# Altium PCB 6 Layers.PcbDoc (continued)
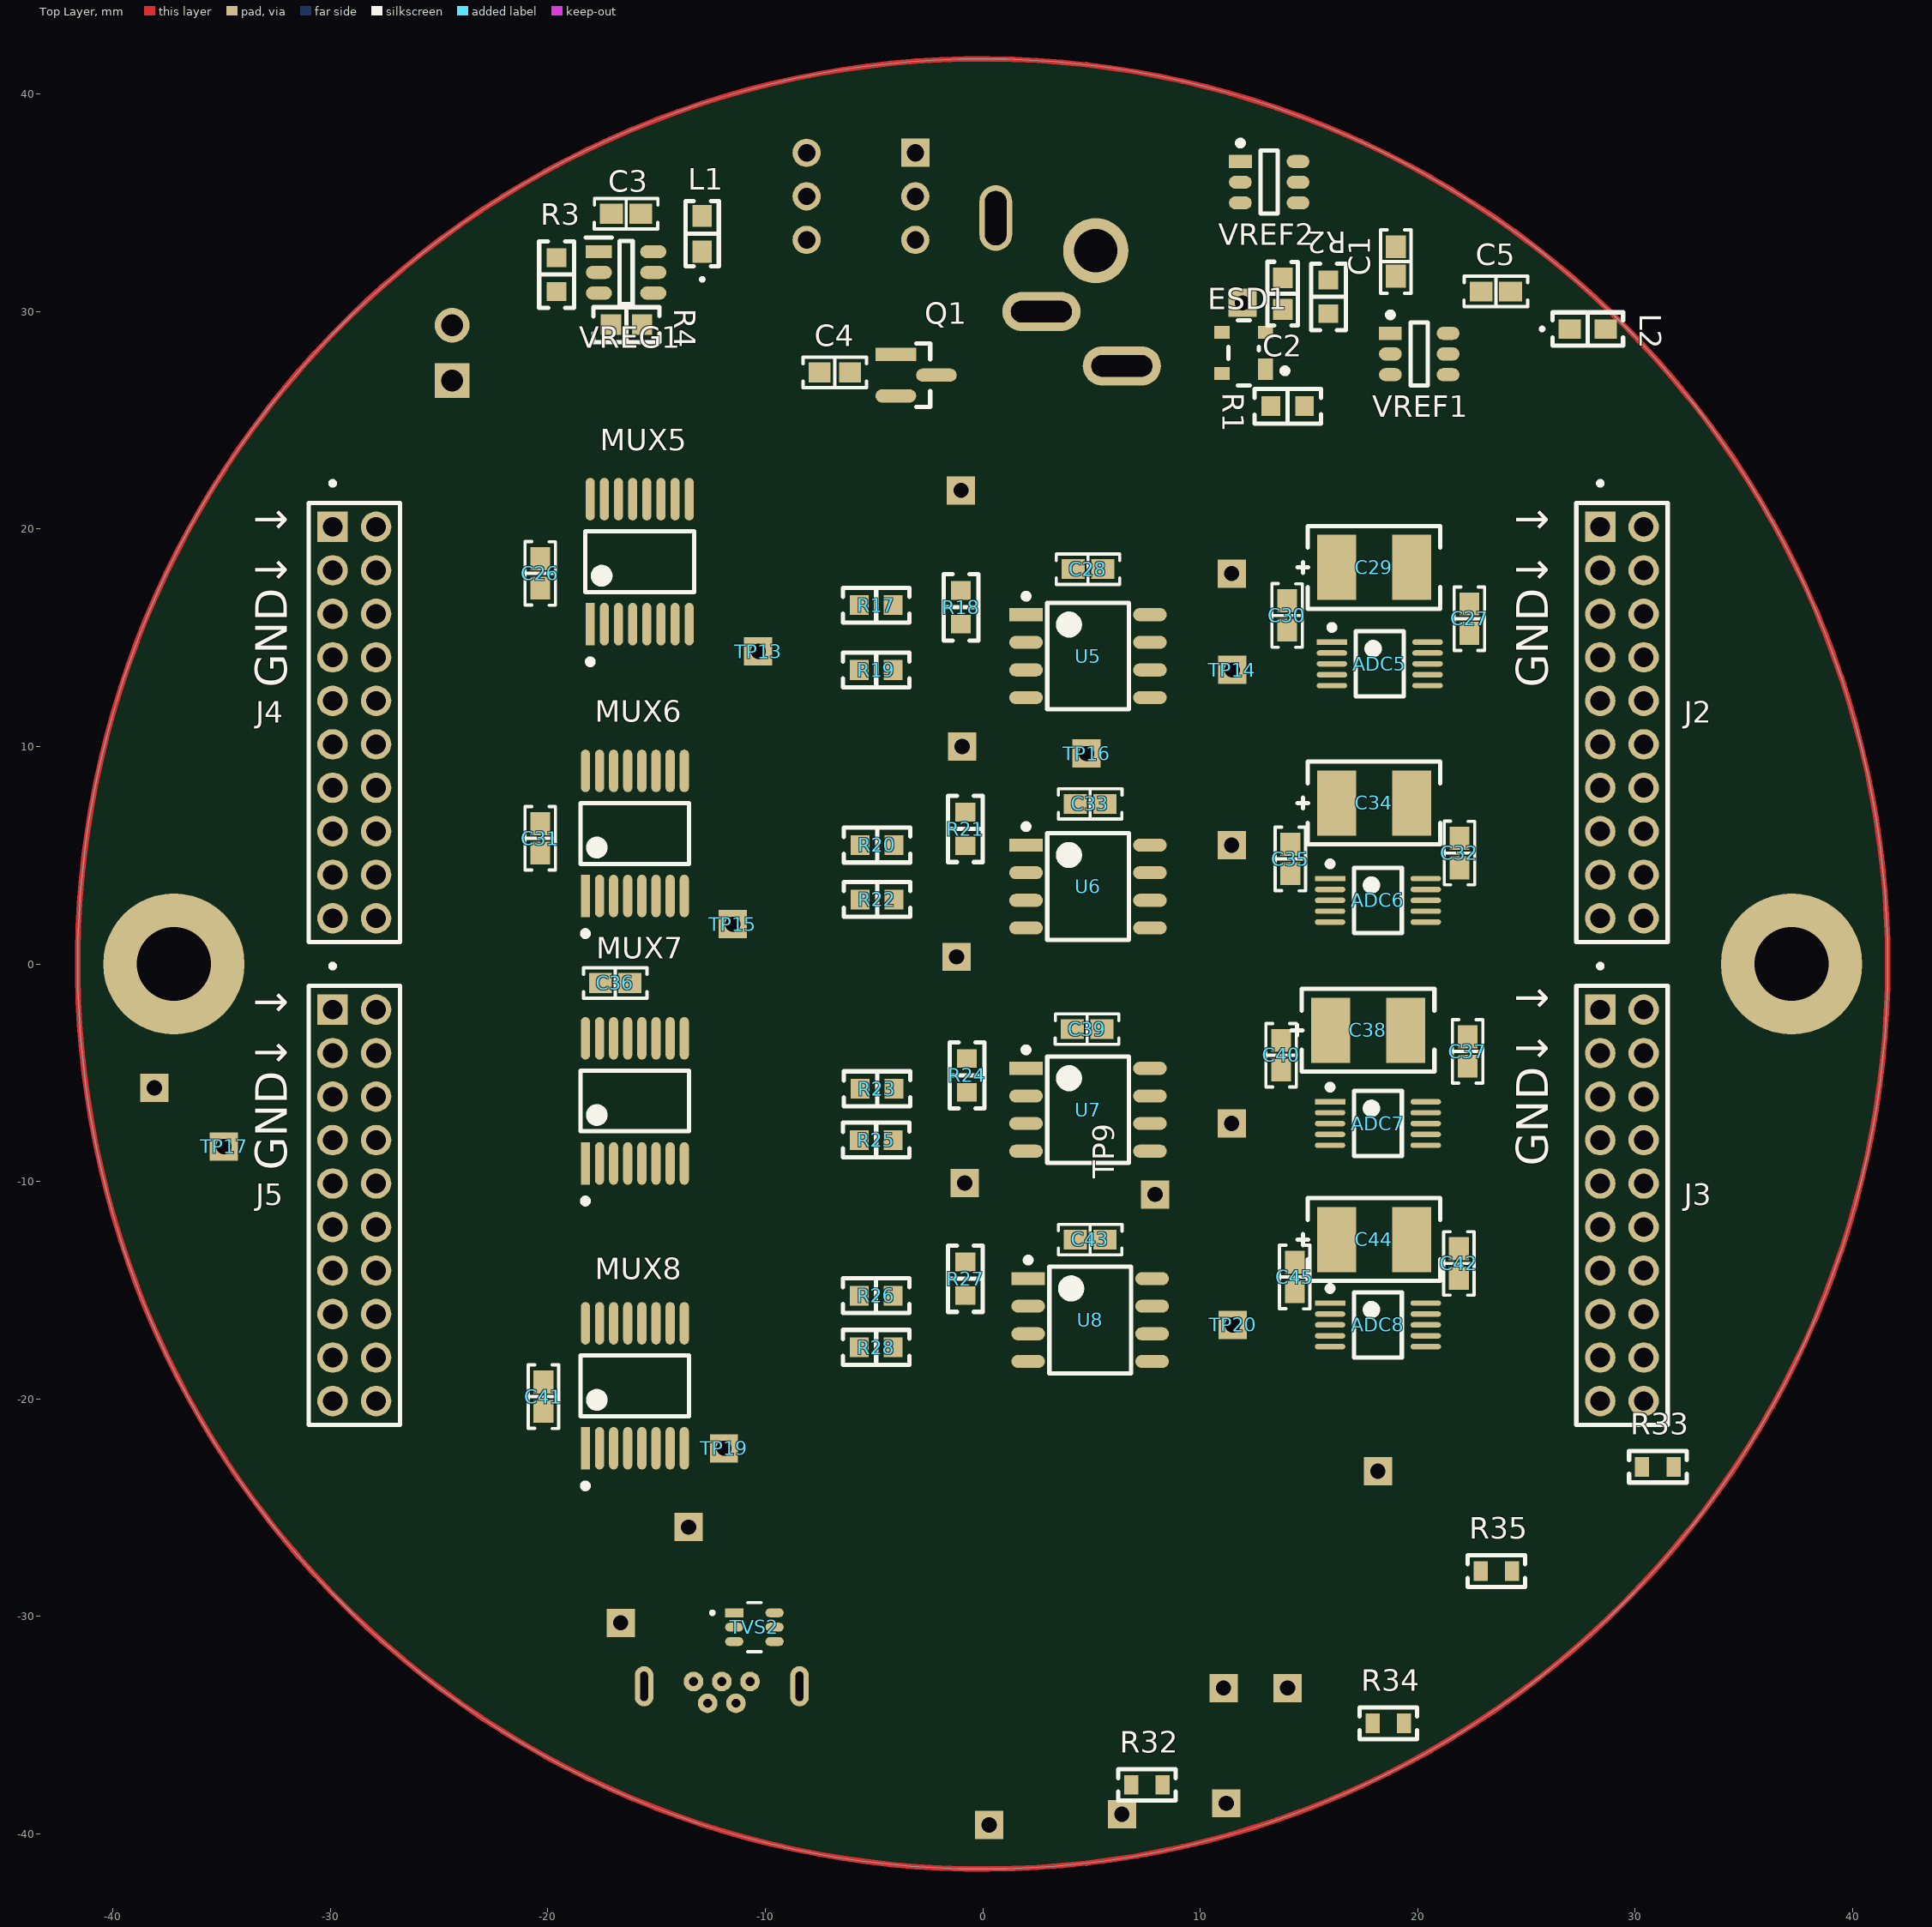
[diagram p0: Top Layer view]
## Footprints (in the part's own frame and the unit in brackets; to place one, negate y for a bottom-side part, rotate by r counter-clockwise, add the part's x,y. Pads: shape width x height; smd on the part's side, far side on the other; paste and mask are expansions set on the pad)
"ABS07-120-32.768KHZ-T A" [mm] "32.768 kHz ±20ppm Crystal 6pF 55 kOhms 2-SMD, No Lead"
  rect 1.4x1.9 smd: 1(-1.2,0) 2(1.2,0)
  silkscreen extent -2.2,-1.3 2.2,1.3, body extent -1.6,-0.75 1.6,0.75, height 0.9
ATSAMD21G18-AU [mm] "ARM® Cortex®-M0+ SAM D21G, Functional Safety (FuSa) Microcontroller IC 32-Bit Single-Core 48MHz 256KB (256K x 8) FLASH 48-TQFP (7x7)"
  rect 1.655x0.252 smd paste+0 mask+0: 1(-4.125,2.75)
  rrect100% 1.655x0.252 smd paste+0 mask+0: 2(-4.125,2.25) 3(-4.125,1.75) 4(-4.125,1.25) 5(-4.125,0.75) 6(-4.125,0.25) 7(-4.125,-0.25) 8(-4.125,-0.75) 9(-4.125,-1.25) 10(-4.125,-1.75) 11(-4.125,-2.25) 12(-4.125,-2.75) 25(4.125,-2.75) 26(4.125,-2.25) 27(4.125,-1.75) 28(4.125,-1.25) 29(4.125,-0.75) 30(4.125,-0.25) 31(4.125,0.25) 32(4.125,0.75) 33(4.125,1.25) 34(4.125,1.75) 35(4.125,2.25) 36(4.125,2.75)
  rrect100% 0.252x1.655 smd paste+0 mask+0: 13(-2.75,-4.125) 14(-2.25,-4.125) 15(-1.75,-4.125) 16(-1.25,-4.125) 17(-0.75,-4.125) 18(-0.25,-4.125) 19(0.25,-4.125) 20(0.75,-4.125) 21(1.25,-4.125) 22(1.75,-4.125) 23(2.25,-4.125) 24(2.75,-4.125) 37(2.75,4.125) 38(2.25,4.125) 39(1.75,4.125) 40(1.25,4.125) 41(0.75,4.125) 42(0.25,4.125) 43(-0.25,4.125) 44(-0.75,4.125) 45(-1.25,4.125) 46(-1.75,4.125) 47(-2.25,4.125) 48(-2.75,4.125)
  silkscreen extent -4.25,-2.75 2.75,3.58, body extent -4.5,-4.5 4.5,4.5, height 1.2
"Cap Ceramic 0.1 uF 50V SMT 0603" [mm] "0.1 µF ±5% 50V Ceramic Capacitor X7R 0603 (1608 Metric)"
  rect 1.058x0.912 smd paste+0 mask+0: 1(-0.677,0) 2(0.677,0)
  silkscreen extent -1.46,-0.7 1.46,0.7, body extent -1.46,-0.71 1.46,0.71, height 0.25
"Cap Ceramic 0.22 uF 25V SMT 0603" [mm] "0.22 µF ±10% 25V Ceramic Capacitor X7R 0603 (1608 Metric)"
  rect 0.959x0.912 smd paste+0 mask+0: 1(-0.727,0) 2(0.727,0)
  silkscreen extent -1.46,-0.7 1.46,0.7, body extent -1.46,-0.71 1.46,0.71, height 0.25
"Cap Ceramic 1 uF 16V SMT 0603" [mm] "1 µF ±10% 16V Ceramic Capacitor X5R 0603 (1608 Metric)"
  rect 1.058x0.912 smd paste+0 mask+0: 1(-0.677,0) 2(0.677,0)
  silkscreen extent -1.46,-0.7 1.46,0.7, body extent -0.8,-0.4 0.8,0.4, height 0.9
"Cap Ceramic 2.2 uF 6.3V SMT 0603" [mm] "2.2 µF ±10% 6.3V Ceramic Capacitor X7R 0603 (1608 Metric)"
  rect 1.058x0.912 smd paste+0 mask+0: 1(-0.677,0) 2(0.677,0)
  silkscreen extent -1.46,-0.7 1.46,0.7, body extent -1.46,-0.71 1.46,0.71, height 0.25
"Cap Ceramic 10 uF SMT 0603" [mm] "10 µF ±10% 6.3V Ceramic Capacitor X5R 0603 (1608 Metric)"
  rect 1.008x0.912 smd paste+0 mask+0: 1(-0.702,0) 2(0.702,0)
  silkscreen extent -1.46,-0.7 1.46,0.7, body extent -1.46,-0.71 1.46,0.71, height 0.25
"Cap Tantalum 10 uF 16V SMT 1411" [mm] "10 µF Molded Tantalum Capacitors 16 V 1411 (3528 Metric) 2Ohm"
  rect 1.8x3 smd paste+0 mask+0: 1(-1.725,0) 2(1.725,0)
  silkscreen extent -3.05,-1.91 3.52,1.91, body extent -1.75,-1.4 1.75,1.4, height 2.1
"Capacitor 20 pF SMT 0603" [mm]
  rect 1.058x0.912 smd paste+0 mask+0: 1(-0.677,0) 2(0.677,0)
  silkscreen extent -1.46,-0.7 1.46,0.7, body extent -0.8,-0.4 0.8,0.4, height 0.9
"DC Power Jack 2.5 mm" [mm] "Power Barrel Connector Jack 2.50mm ID (0.098\"), 5.50mm OD (0.217\") Through Hole"
  round 3 hole 2: 1(0,0)
  oval 3.6x1.8 hole 1 slot 2.8 at 0 deg: 2(-1.2,-5.3) 3(2.5,-2.8)
  oval 1.508x3.016 hole 1 slot 2.5 at 90 deg: S1(4.6,1.5)
  silkscreen extent -5.5,-6.75 4.75,4.45, body extent -4.7,-6.7 4.8,4.5, height 14.2
"Eaton Ferrite Bead 0603" [mil] "Power Line Ferrite Bead 0603 (1608 Metric)"
  rect 33.78x39 smd paste+0 mask+0: 1(-32.39,0) 2(32.39,0)
  silkscreen extent -85,-31 60,31, body extent -36,-19 36,19, height 39
"Headers 20 Pos TH 0.079\" 4-3 - A" [mm] "Connector Header Through Hole 20 position 0.079\" (2.00mm)"
  rect 1.4x1.4 hole 0.9: 1(-9,-1)
  round 1.4 hole 0.9: 2(-7,-1) 3(-5,-1) 4(-3,-1) 5(-1,-1) 6(1,-1) 7(3,-1) 8(5,-1) 9(7,-1) 10(9,-1) 11(9,1) 12(7,1) 13(5,1) 14(3,1) 15(1,1) 16(-1,1) 17(-3,1) 18(-5,1) 19(-7,1) 20(-9,1)
  silkscreen extent -11.1,-2.1 10.1,2.1, body extent -10,-2 10,2, height 6
"Inductor 4.7 uH SMT 0603" [mil] "4.7 µH Shielded Multilayer Inductor 15 mA 2.1Ohm Max 0603 (1608 Metric)"
  rect 40x35 smd paste+0 mask+0: 1(-32.5,0) 2(32.5,0)
  silkscreen extent -85,-30 59,30, body extent -34,-19 34,19, height 39
IRLML9303TRPBF [mm] "P-Channel 30 V 2.3A (Ta) 1.25W (Ta) Surface Mount Micro3™/SOT-23"
  rect 1.874x0.612 smd paste+0 mask+0: 1(-0.935,0.95)
  rrect100% 1.874x0.612 smd paste+0 mask+0: 2(-0.935,-0.95) 3(0.935,0)
  silkscreen extent 0,-1.46 0.65,1.46, body extent -2.37,-1.96 2.37,1.96, height 0.25
"Led 3 mm Vertical Clear" [mm] "Green 530nm LED Indication - Discrete 3.2V Radial"
  rect 1.6x1.6 hole 1: 1(1.27,0)
  round 1.6 hole 1: 2(-1.27,0)
  silkscreen extent -1.66,-1.95 1.4,1.95, body extent -1.95,-1.94 1.87,1.94, height 10.5
LMR50410YFQDBVRQ1 [mm] "Buck Switching Regulator IC Positive Adjustable 1V 1 Output 1A SOT-23-6"
  rect 1.2x0.6 smd: 1(-1.25,0.95)
  oval 1.2x0.6 smd: 2(-1.25,0) 3(-1.25,-0.95) 4(1.25,-0.95) 5(1.25,0) 6(1.25,0.95)
  silkscreen extent -1.85,-1.45 0.3,1.6, body extent -1.4,-1.45 1.4,1.45, height 1.45
MCP6N11-100E/SN [mm] "Instrumentation Amplifier 1 Circuit Rail-to-Rail 8-SOIC"
  rect 1.55x0.6 smd: 1(-2.85,1.905)
  oval 1.55x0.6 smd: 2(-2.85,0.635) 3(-2.85,-0.635) 4(-2.85,-1.905) 5(2.85,-1.905) 6(2.85,-0.635) 7(2.85,0.635) 8(2.85,1.905)
  silkscreen extent -2.98,-2.45 1.88,2.88, body extent -3,-2.45 3,2.45, height 1.75
MCP1501T-XXE/CHY [mm] "Series Voltage Reference IC Fixed V ±0.1% 20 mA SOT-23-6"
  rect 1.05x0.6 smd: 1(-1.325,0.95)
  oval 1.05x0.6 smd: 2(-1.325,0) 3(-1.325,-0.95) 4(1.325,-0.95) 5(1.325,0) 6(1.325,0.95)
  silkscreen extent -1.45,-1.45 0.4,1.92, body extent -1.4,-1.45 1.4,1.45, height 1.17
MCP33141-10-E/MS [mm] "12 Bit Analog to Digital Converter 1 Input 1 SAR 10-MSOP"
  rect 1.4x0.25 smd: 1(-2.2,1)
  oval 1.4x0.25 smd: 2(-2.2,0.5) 3(-2.2,0) 4(-2.2,-0.5) 5(-2.2,-1) 6(2.2,-1) 7(2.2,-0.5) 8(2.2,0) 9(2.2,0.5) 10(2.2,1)
  silkscreen extent -2.33,-1.5 1.1,1.8, body extent -2.45,-1.5 2.45,1.5, height 1.1
RCLAMP0504FA.TCT [mil]
  rect 33x16 smd paste+0 mask+0: 1(-36.5,26)
  oval 33x16 smd paste+0 mask+0: 2(-36.5,0) 3(-36.5,-26) 4(36.5,-26) 5(36.5,0) 6(36.5,26)
  silkscreen extent -79,-44 12,44, body extent -39,-39 39,39, height 43
"Res 10K 0.1% SMT 0603" [mm] "10 kOhms ±0.1% 0.1W, 1/10W Chip Resistor 0603 (1608 Metric) Thin Film"
  rect 0.859x0.912 smd paste+0 mask+0: 1(-0.777,0) 2(0.777,0)
  silkscreen extent -1.52,-0.8 1.52,0.8, body extent -0.76,-0.4 0.84,0.4, height 0.58
"Res 88K7 1% SMT 0603" [mm] "88.7 kOhms ±1% 0.1W, 1/10W Chip Resistor 0603 (1608 Metric) Automotive AEC-Q200 Thick Film"
  rect 0.935x0.962 smd paste+0 mask+0: 1(-0.715,0) 2(0.715,0)
  silkscreen extent -1.52,-0.8 1.52,0.8, body extent -1.43,-0.73 1.43,0.73, height 0.25
"Res SP Elect 0603 RMFC" [mm] "Resistor 0603 (1608 Metric) Automotive AEC-Q200 Thick Film"
  rect 0.65x0.9 smd paste+0 mask+0: 1(-0.725,0) 2(0.725,0)
  silkscreen extent -1.33,-0.72 1.33,0.72, body extent -0.77,-0.4 0.77,0.4, height 0.55
"Resistor Yaego SMT 0603" [mm] "Resistor Yaego SMT 0603"
  rect 0.859x0.912 smd paste+0 mask+0: 1(-0.777,0) 2(0.777,0)
  silkscreen extent -1.52,-0.8 1.52,0.8, body extent -1.46,-0.71 1.46,0.71, height 0.25
"Schottky Diode 30V SMT" [mm] "NSR0530HT1G"
  rect 0.625x0.83 smd: 1(-1.112,0) 2(1.112,0)
  silkscreen extent -1.78,-0.8 1.78,0.8, body extent -1.36,-0.63 1.36,0.62, height 1.05
"SQ Pad" [mm] "Pad"
  rect 1.3x1.3 hole 0.7: 1(0,0)
"Standoff M3 7mm Brass" [mm] "Hex Standoff Threaded M3x0.5 Brass 0.276\" (7.00mm)"
  round 6.5 hole 3.4: 1(0,0)
  body extent -2.5,-2.89 2.5,2.89
"SW DPDT Pushbutton" [mm] "Pushbutton Switch DPDT Standard Through Hole"
  rect 1.3x1.3 hole 0.8: 1(-1.905,-2.54)
  round 1.3 hole 0.8: 2(0.095,-2.54) 3(2.095,-2.54) 4(-1.905,2.46) 5(0.095,2.46) 6(2.095,2.46)
  silkscreen extent -3.4,-4.14 3.59,3.46, body extent -3.43,-3.5 3.57,3.5, height 12.5
TMUX1208PWR [mm] "5-V, 8: 1, 1-channel general-purpose analog multiplexer with 1.8-V input logic 16-TSSOP -40 to 125"
  rect 1.955x0.421 smd paste+0 mask+0: 1(-2.875,2.275)
  rrect100% 1.955x0.421 smd paste+0 mask+0: 2(-2.875,1.625) 3(-2.875,0.975) 4(-2.875,0.325) 5(-2.875,-0.325) 6(-2.875,-0.975) 7(-2.875,-1.625) 8(-2.875,-2.275) 9(2.875,-2.275) 10(2.875,-1.625) 11(2.875,-0.975) 12(2.875,-0.325) 13(2.875,0.325) 14(2.875,0.975) 15(2.875,1.625) 16(2.875,2.275)
  silkscreen extent -4.73,-2.5 1.4,2.5, body extent -3.2,-2.5 3.2,2.5, height 1.2
"TVS Diode Array Ultra-Low Capacitance" [mm] "Clamp Ipp Tvs Diode Surface Mount SOT-143B"
  rect 0.7x1 smd paste-1000 mask+0: 1(-1,0.75)
  rect 0.7x0.6 smd paste-1000 mask+0: 2(-1,-0.95) 3(1,-0.95) 4(1,0.95)
  silkscreen extent -2.02,-1.5 0.7,1.5, body extent -1.5,-1.63 1.5,1.63, height 0.25
"USB Micro-AB Connector B" [mm] "USB - Micro AB 2.0 Receptacle Connector 5 Position, Vertical, Through Hole with 2.30 mm (Standard) Shell Stakes, 5-Pin THD, RoHS, Tape and Reel"
  round 0.9 hole 0.4: 1(-1.3,0) 2(-0.65,-1) 3(0,0) 4(0.65,-1) 5(1.3,0)
  oval 0.85x1.85 hole 0.35 slot 1.35 at 90 deg: 6(-3.575,-0.22) 7(3.575,-0.22)
  silkscreen extent -3.98,-1.67 3.98,1.95, body extent -3.98,-1.68 3.98,1.25, height 5.61

## Part data
ADC1 ADC2 ADC3 ADC4 ADC5 ADC6 ADC7 ADC8: library part "ADC 12 bits 1MSPS", "12 Bit Analog to Digital Converter 1 Input 1 SAR 10-MSOP", Supplier Part Number 1=MCP33141-10-E/MS-ND, Supplier 1=Digi-Key
ATSAMD1: library part ATSAMD21G18A-AU, "ARM® Cortex®-M0+ SAM D21G, Functional Safety (FuSa) Microcontroller IC 32-Bit Single-Core 48MHz 256KB (256K x 8) FLASH 48-TQFP (7x7)", Supplier Part Number 1=ATSAMD21G18A-AU-ND, ComponentLink1Description=Datasheet, ComponentLink1URL=https://ww1.microchip.com/downloads/en/DeviceDoc/SAM-D21-DA1-Family-Data-Sheet-DS40001882H.pdf, ComponentLink2Description="Arduino Zero", ComponentLink2URL=https://docs.arduino.cc/hardware/zero, Supplier 1=Digi-Key
C1 C5 C46: "2.2 µF ±10% 6.3V Ceramic Capacitor X7R 0603 (1608 Metric)", Device Package="0603 (1608 Metric)", Manufacturer=Yageo, Operating Temperature="-55°C ~ 125°C", Part Number=CC0603KRX7R5BB225, Supplier Part Number 1=311-1795-1-ND, Temperature Coefficient=X7R, Tolerance=±10%, Voltage - Rated=6.3V, Applications="General Purpose", ComponentLink1Description=Datasheet, ComponentLink2Description="DigiKey Link", ComponentLink2URL=https://www.digikey.com/en/products/detail/yageo/CC0603KRX7R5BB225/5195203, lastupdated="2023-03-06 20:08:32", Lifecycle Status=Active, Minimum Order=1, Mounting Type="Surface Mount, MLCC", Package / Case="0603 (1608 Metric)", Packaging=TapeAndReel, Part Status=Active, partid=41539, price=0.01, Series=CC, Size / Dimension="0.063\" L x 0.031\" W (1.60mm x 0.80mm)", Supplier 1=Digi-Key, Supplier 2=Digi-Key, Supplier 3=Digi-Key, Supplier Part Number 2=311-1795-6-ND, Supplier Part Number 3=311-1795-2-ND, Thickness (Max)="0.035\" (0.90mm)"
C2: "0.22 µF ±10% 25V Ceramic Capacitor X7R 0603 (1608 Metric)", Capacitance=0.22µF, Device Package="0603 (1608 Metric)", Manufacturer="Murata Electronics", Operating Temperature="-55°C ~ 125°C", Part Number=GRM188R71E224KA88D, Supplier Part Number 1=490-3290-1-ND, Temperature Coefficient=X7R, Tolerance=±10%, Voltage - Rated=25V, Applications="General Purpose", ComponentLink1Description=Datasheet, ComponentLink1URL=https://www.murata.com/~/media/webrenewal/support/library/catalog/products/capacitor/mlcc/c02e.ashx?la=en-us, ComponentLink2Description="DigiKey Link", ComponentLink2URL=https://www.digikey.com/en/products/detail/murata-electronics/GRM188R71E224KA88D/702554, lastupdated="2023-03-05 20:08:17", Lifecycle Status=Active, Minimum Order=1, Mounting Type="Surface Mount, MLCC", Package / Case="0603 (1608 Metric)", Packaging=TapeAndReel, Part Status=Active, partid=11196, price=0.01, Series=GRM, Size / Dimension="0.063\" L x 0.031\" W (1.60mm x 0.80mm)", Supplier 1=Digi-Key, Supplier 2=Digi-Key, Supplier 3=Digi-Key, Supplier Part Number 2=490-3290-6-ND, Supplier Part Number 3=490-3290-2-ND, Thickness (Max)="0.035\" (0.90mm)"
C3 C21 C23 C26 C28 C31 C33 C36 C39 C41 C43 C48 C49 C50: "0.1 µF ±5% 50V Ceramic Capacitor X7R 0603 (1608 Metric)", Capacitance=0.1μF, Device Package="0603 (1608 Metric)", Manufacturer=Yageo, Operating Temperature="-55°C ~ 125°C", Part Number=CC0603JRX7R9BB104, Supplier Part Number 1=311-1779-1-ND, Temperature Coefficient=X7R, Tolerance=±5%, Voltage - Rated=50V, Applications="General Purpose", ComponentLink1Description=Datasheet, ComponentLink1URL=https://www.yageo.com/upload/media/product/productsearch/datasheet/mlcc/UPY-GPHC_X7R_6.3V-to-50V_18.pdf, ComponentLink2Description="DigiKey Link", ComponentLink2URL=https://www.digikey.com/en/products/detail/yageo/CC0603JRX7R9BB104/5195188, lastupdated="2023-03-06 20:08:09", Lifecycle Status=Active, Minimum Order=1, Mounting Type="Surface Mount, MLCC", Package / Case="0603 (1608 Metric)", Packaging=TapeAndReel, Part Status=Active, partid=12474, price=0.01, Series=CC, Size / Dimension="0.063\" L x 0.031\" W (1.60mm x 0.80mm)", Supplier 1=Digi-Key, Supplier 2=Digi-Key, Supplier 3=Digi-Key, Supplier Part Number 2=311-1779-6-ND, Supplier Part Number 3=311-1779-2-ND, Thickness (Max)="0.035\" (0.90mm)"
C4: library part "Cap Ceramic 10 uF SMT 0603", "10 µF ±10% 6.3V Ceramic Capacitor X5R 0603 (1608 Metric)", Capacitance=10μF, Device Package="0603 (1608 Metric)", Manufacturer="Murata Electronics", Operating Temperature="-55°C ~ 85°C", Supplier Part Number 1=490-GRM188R60J106KE47JCT-ND, Temperature Coefficient=X5R, Tolerance=±10%, Voltage - Rated=6.3V, Applications="General Purpose", ComponentLink2Description="DigiKey Link", ComponentLink2URL=https://www.digikey.com/en/products/detail/murata-electronics/GRM188R60J106KE47J/10691412, lastupdated="2023-03-08 20:07:22", Lifecycle Status=Active, Minimum Order=1, Mounting Type="Surface Mount, MLCC", Package / Case="0603 (1608 Metric)", Packaging=TapeAndReel, Part Number=GRM188R60J106KE47J, Part Status=Active, partid=47219, price=0.01, Series=GRM, Size / Dimension="0.063\" L x 0.032\" W (1.60mm x 0.80mm)", Supplier 1=Digi-Key, Supplier 2=Digi-Key, Supplier 3=Digi-Key, Supplier Part Number 2=490-GRM188R60J106KE47JDKR-ND, Supplier Part Number 3=490-GRM188R60J106KE47JTR-ND, Thickness (Max)="0.035\" (0.90mm)"
C6 C7 C8 C11 C12 C13 C16 C17 C18 C22 C27 C32 C37 C42: library part "Cap Ceramic 0.1 uF SMT 0603", "0.1 µF ±5% 50V Ceramic Capacitor X7R 0603 (1608 Metric)", Capacitance=0.1μF, Device Package="0603 (1608 Metric)", Manufacturer=Yageo, Operating Temperature="-55°C ~ 125°C", Supplier Part Number 1=311-1779-1-ND, Temperature Coefficient=X7R, Tolerance=±5%, Voltage - Rated=50V, Applications="General Purpose", ComponentLink1Description=Datasheet, ComponentLink1URL=https://www.yageo.com/upload/media/product/productsearch/datasheet/mlcc/UPY-GPHC_X7R_6.3V-to-50V_18.pdf, ComponentLink2Description="DigiKey Link", ComponentLink2URL=https://www.digikey.com/en/products/detail/yageo/CC0603JRX7R9BB104/5195188, lastupdated="2023-03-06 20:08:09", Lifecycle Status=Active, Minimum Order=1, Mounting Type="Surface Mount, MLCC", Package / Case="0603 (1608 Metric)", Packaging=TapeAndReel, Part Number=CC0603JRX7R9BB104, Part Status=Active, partid=12474, price=0.01, Series=CC, Size / Dimension="0.063\" L x 0.031\" W (1.60mm x 0.80mm)", Supplier 1=Digi-Key, Supplier 2=Digi-Key, Supplier 3=Digi-Key, Supplier Part Number 2=311-1779-6-ND, Supplier Part Number 3=311-1779-2-ND, Thickness (Max)="0.035\" (0.90mm)"
C9 C14 C19 C24 C29 C34 C38 C44: "10 µF Molded Tantalum Capacitors 16 V 1411 (3528 Metric) 2Ohm", Case Code (Imperial)=1411, Supplier Part Number 1=718-1124-1-ND, Voltage Rating=16V, Supplier 1=Digi-Key, Supplier 2=Digi-Key, Supplier 3=Digi-Key, Supplier Part Number 2=718-1124-6-ND, Supplier Part Number 3=718-1124-2-ND
C10 C15 C20: library part "Cap Ceramic 1 uF SMT 0603", "1 µF ±10% 16V Ceramic Capacitor X7R 0603 (1608 Metric)", Case Code (Imperial)=0603, Dielectric=XR7, Max Operating Temperature=125°C, Min Operating Temperature=-55°C, Resistor Type=Ceramic, Supplier Part Number 1=13-CC0603KPX7R7BB105CT-ND, Tolerance=10%, Voltage Rating (DC)=16V, Construction=Flat, Height=0.8mm, Length=1.6mm, Supplier 1=Digi-Key, Supplier 2=Digi-Key, Supplier 3=Digi-Key, Supplier Part Number 2=13-CC0603KPX7R7BB105DKR-ND, Supplier Part Number 3=13-CC0603KPX7R7BB105TR-ND, Termination=SMT/SMD
C25 C30 C35 C40 C45: "1 µF ±10% 16V Ceramic Capacitor X7R 0603 (1608 Metric)", Case Code (Imperial)=0603, Dielectric=XR7, Max Operating Temperature=125°C, Min Operating Temperature=-55°C, Resistor Type=Ceramic, Supplier Part Number 1=13-CC0603KPX7R7BB105CT-ND, Tolerance=10%, Voltage Rating (DC)=16V, Construction=Flat, Height=0.8mm, Length=1.6mm, Supplier 1=Digi-Key, Supplier 2=Digi-Key, Supplier 3=Digi-Key, Supplier Part Number 2=13-CC0603KPX7R7BB105DKR-ND, Supplier Part Number 3=13-CC0603KPX7R7BB105TR-ND, Termination=SMT/SMD
C47: library part "Cap Ceramic 2.2 uF SMT 0603", "2.2 µF ±10% 6.3V Ceramic Capacitor X7R 0603 (1608 Metric)", Device Package="0603 (1608 Metric)", Manufacturer=Yageo, Operating Temperature="-55°C ~ 125°C", Supplier Part Number 1=311-1795-1-ND, Temperature Coefficient=X7R, Tolerance=±10%, Voltage - Rated=6.3V, Applications="General Purpose", ComponentLink1Description=Datasheet, ComponentLink2Description="DigiKey Link", ComponentLink2URL=https://www.digikey.com/en/products/detail/yageo/CC0603KRX7R5BB225/5195203, lastupdated="2023-03-06 20:08:32", Lifecycle Status=Active, Minimum Order=1, Mounting Type="Surface Mount, MLCC", Package / Case="0603 (1608 Metric)", Packaging=TapeAndReel, Part Number=CC0603KRX7R5BB225, Part Status=Active, partid=41539, price=0.01, Series=CC, Size / Dimension="0.063\" L x 0.031\" W (1.60mm x 0.80mm)", Supplier 1=Digi-Key, Supplier 2=Digi-Key, Supplier 3=Digi-Key, Supplier Part Number 2=311-1795-6-ND, Supplier Part Number 3=311-1795-2-ND, Thickness (Max)="0.035\" (0.90mm)"
C51 C52: library part "Cap Ceramic 20 pF SMT 0603", "20 pF ±5% 50V Ceramic Capacitor C0G, NP0 0603 (1608 Metric)", Capacitance="20 pF", Device Package="0603 (1608 Metric)", Manufacturer=Yageo, Operating Temperature="-55°C ~ 125°C", Supplier Part Number 1=311-1424-1-ND, Temperature Coefficient="C0G, NP0", Tolerance=±5%, Voltage - Rated=50V, Applications="General Purpose", ComponentLink1Description=Datasheet, ComponentLink1URL=https://www.yageo.com/upload/media/product/productsearch/datasheet/mlcc/UPY-GP_NP0_16V-to-50V_17.pdf, ComponentLink2Description="DigiKey Link", ComponentLink2URL=https://www.digikey.com/en/products/detail/yageo/CC0603JRNPO9BN200/2833589, lastupdated="2023-03-06 20:07:50", Lifecycle Status=Active, Minimum Order=1, Mounting Type="Surface Mount, MLCC", Package / Case="0603 (1608 Metric)", Packaging=TapeAndReel, Part Number=CC0603JRNPO9BN200, Part Status=Active, partid=16728, price=0.01, Series=CC, Size / Dimension="0.063\" L x 0.031\" W (1.60mm x 0.80mm)", Supplier 1=Digi-Key, Supplier 2=Digi-Key, Supplier 3=Digi-Key, Supplier Part Number 2=311-1424-6-ND, Supplier Part Number 3=311-1424-2-ND, Thickness (Max)="0.035\" (0.90mm)"